# Altium PCB PCB.PcbDoc (part 7 of 11) (continued)
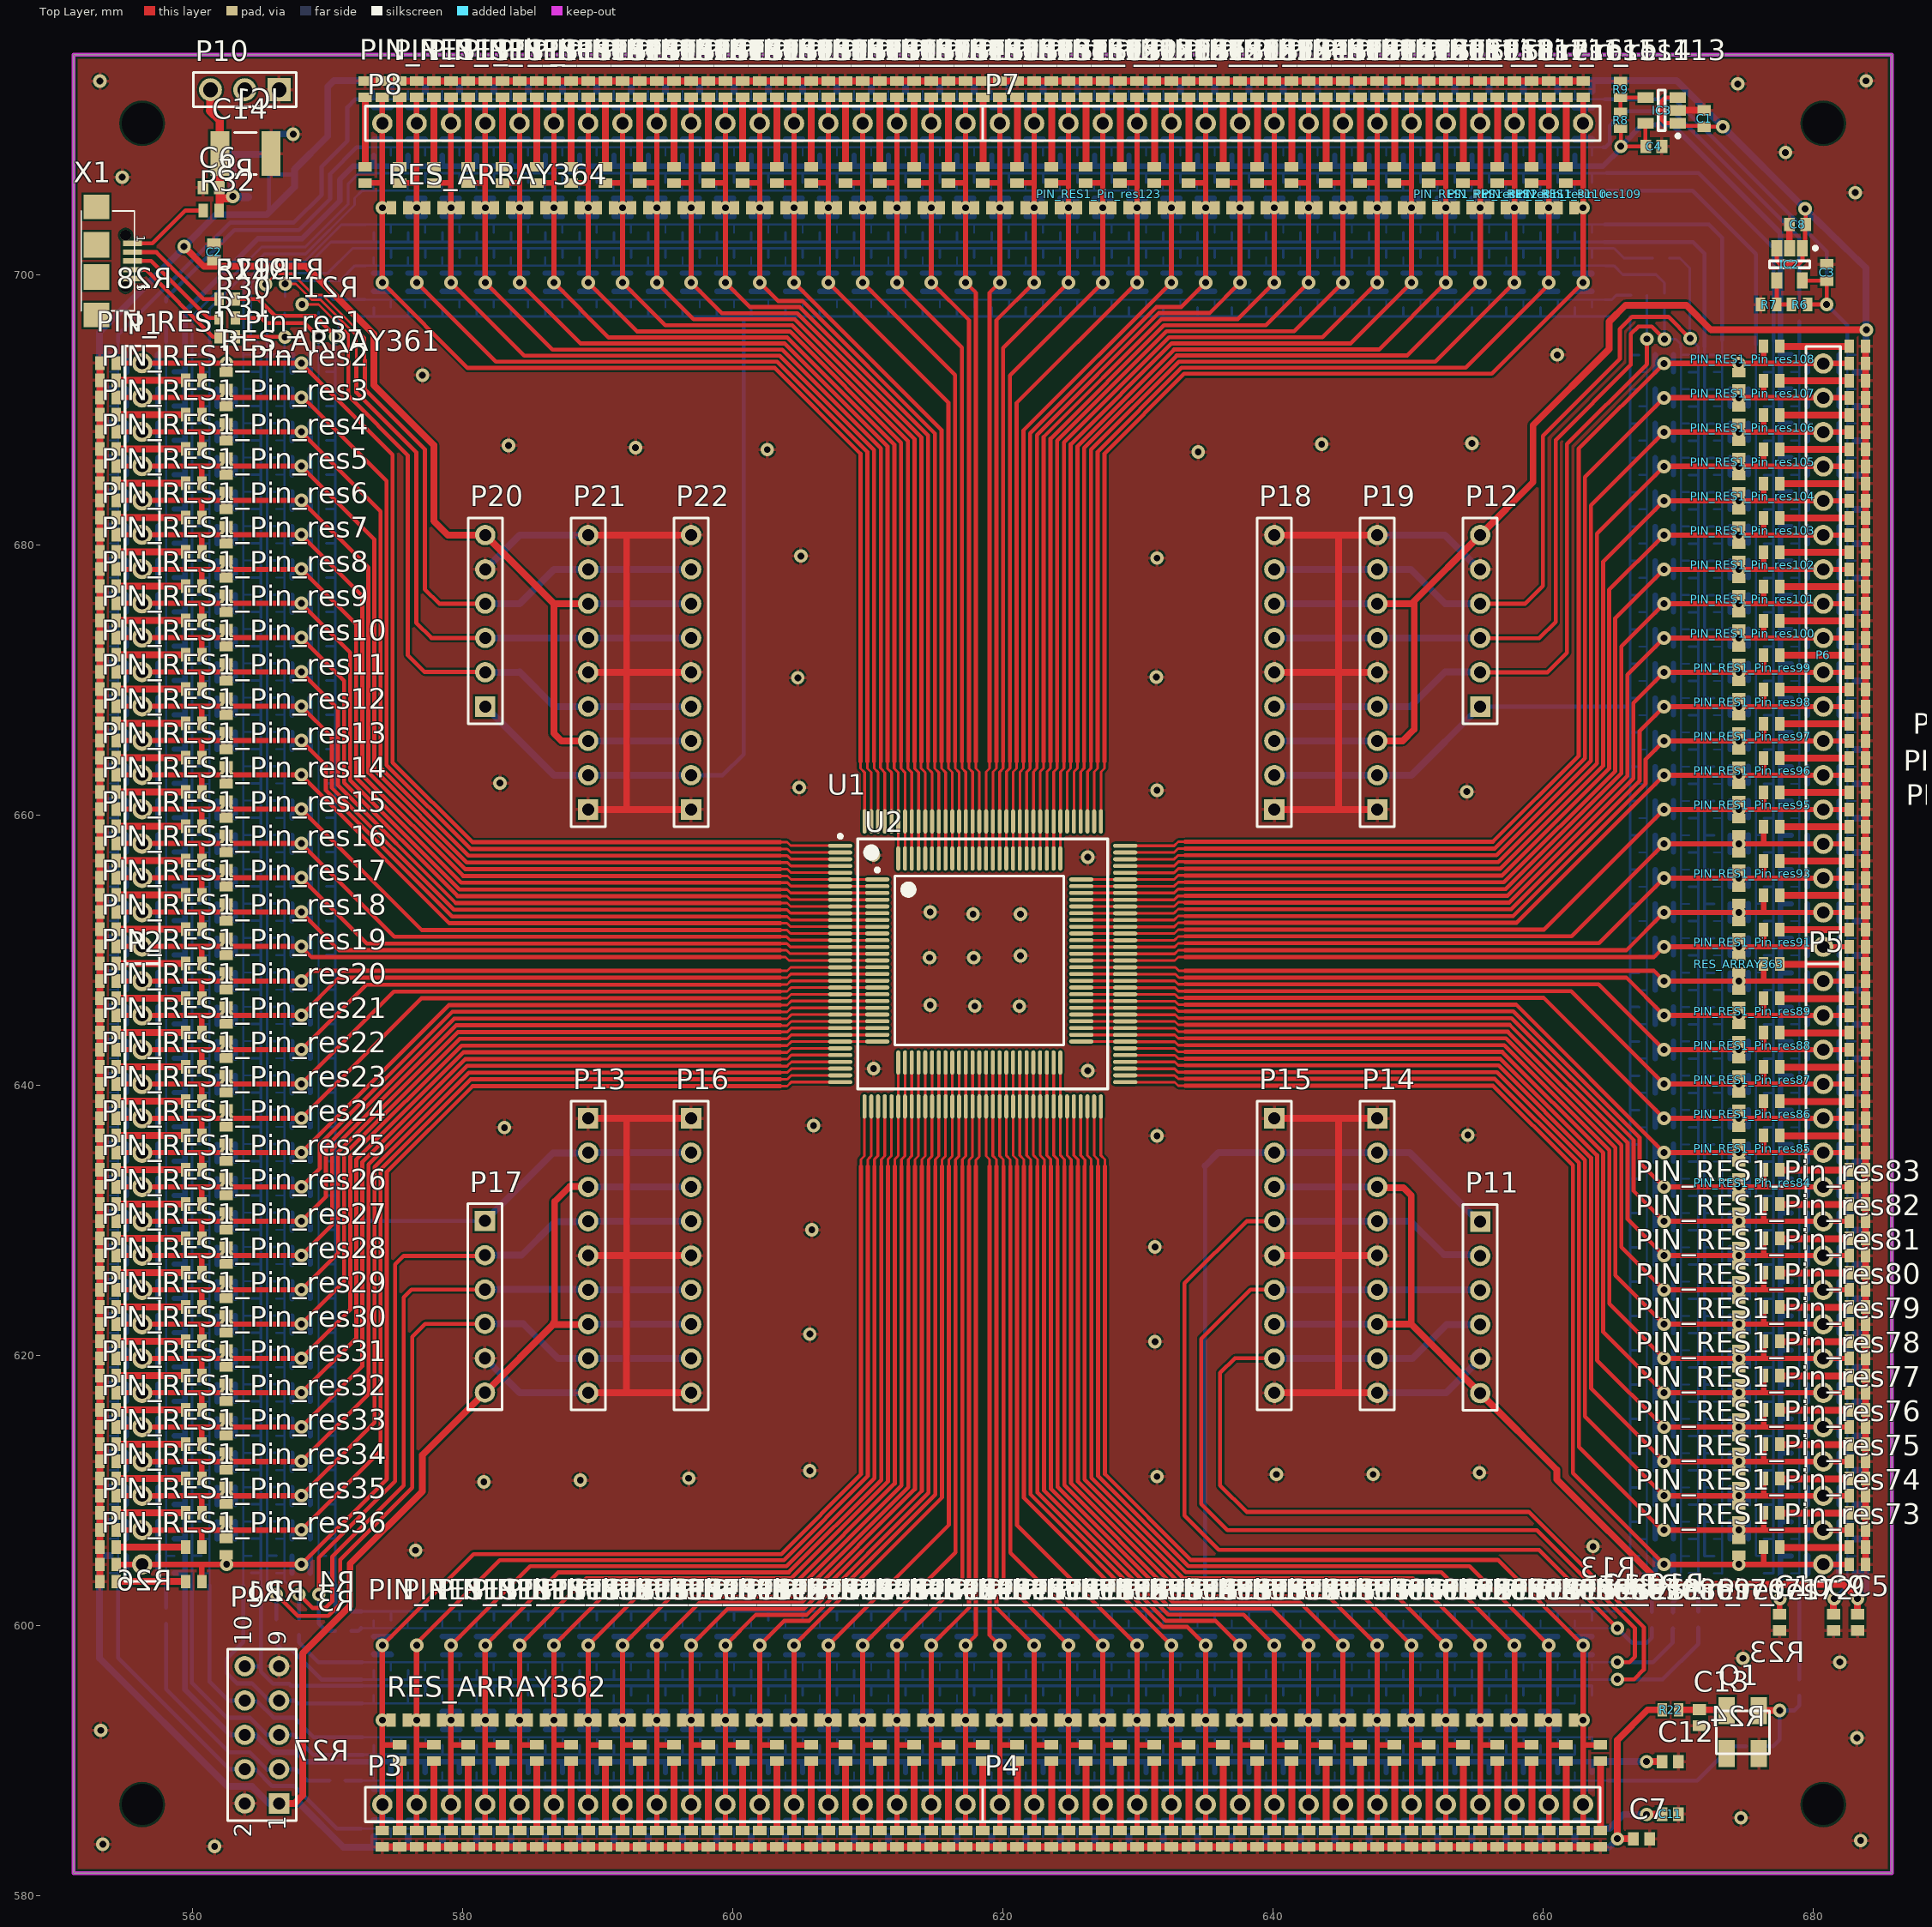
[diagram p0: Top Layer view]
## Nets (pads, with @x,y where several pads share a name; then routed paths per layer and width w, separated by ;. In a path a pad name is that pad's centre, name@x,y a point inside that pad or via, vN(x,y) a via of type N, cw(c..) or ccw(c..) an arc to the next point about the centre after c; other vN are vias at no path point) (continued)
P27: P2.9 PIN_RES1_Pin_res27.14 RES_ARRAY361.27 U1.27 U2.22 | length 80.8
  Top Layer w0.2: 603.504,644.398 604,644.398 604.322,644.72 U1.27@607.94,644.72 610.682,644.72 U2.22@610.686,644.724
  Top Layer w0.3: v1(568.046,627.38) 570.313,629.647 570.313,635.248 579.495,644.43 603.504,644.43
  Top Layer w0.4: PIN_RES1_Pin_res27.14@554.32,627.38 P2.9@556.26,627.38 560.705,627.38 ; PIN_RES1_Pin_res27.14@560.67,626.11 560.67,627.345 560.705,627.38 ; v1(568.046,627.38) v1(562.508,627.38) 562.483,627.38 560.705,627.38
  Bottom Layer w0.4: PIN_RES1_Pin_res27.14@555.082,626.745 555.082,627.38 ; PIN_RES1_Pin_res27.14@555.082,628.015 555.082,627.38 ; PIN_RES1_Pin_res27.14@557.438,626.745 557.438,627.38 ; PIN_RES1_Pin_res27.14@557.438,628.015 557.438,627.38 ; PIN_RES1_Pin_res27.14@561.813,626.72 561.813,627.38 ; PIN_RES1_Pin_res27.14@561.813,627.99 561.813,627.38 ; PIN_RES1_Pin_res27.14@563.153,626.745 563.153,627.38 ; PIN_RES1_Pin_res27.14@563.153,628.015 563.153,627.38 ; PIN_RES1_Pin_res27.14@567.35,626.72 567.35,627.38 ; PIN_RES1_Pin_res27.14@567.35,627.99 567.35,627.38 ; PIN_RES1_Pin_res27.14@568.69,626.745 568.69,627.38 ; PIN_RES1_Pin_res27.14@568.69,628.015 568.69,627.38 ; 555.082,627.38 P2.9@556.26,627.38 557.438,627.38 ; 561.813,627.38 v1(562.508,627.38) 563.153,627.38 ; 567.35,627.38 v1(568.046,627.38) 568.69,627.38
P28: P2.10 PIN_RES1_Pin_res28.14 RES_ARRAY361.28 U1.28 U2.23 | length 82.7
  Top Layer w0.2: 603.504,643.938 604.035,643.938 604.317,644.22 U1.28@607.94,644.22 610.682,644.22 U2.23@610.686,644.224
  Top Layer w0.3: v1(568.046,624.84) 570.763,627.557 570.763,635.062 579.623,643.922 603.504,643.922
  Top Layer w0.4: PIN_RES1_Pin_res28.14@554.32,624.84 P2.10@556.26,624.84 560.705,624.84 ; PIN_RES1_Pin_res28.14@560.67,623.57 560.67,624.805 560.705,624.84 ; v1(568.046,624.84) v1(562.508,624.84) 562.483,624.84 560.705,624.84
  Bottom Layer w0.4: PIN_RES1_Pin_res28.14@555.082,624.205 555.082,624.84 ; PIN_RES1_Pin_res28.14@555.082,625.475 555.082,624.84 ; PIN_RES1_Pin_res28.14@557.438,624.205 557.438,624.84 ; PIN_RES1_Pin_res28.14@557.438,625.475 557.438,624.84 ; PIN_RES1_Pin_res28.14@561.813,624.18 561.813,624.84 ; PIN_RES1_Pin_res28.14@561.813,625.45 561.813,624.84 ; PIN_RES1_Pin_res28.14@563.153,624.205 563.153,624.84 ; PIN_RES1_Pin_res28.14@563.153,625.475 563.153,624.84 ; PIN_RES1_Pin_res28.14@567.35,624.18 567.35,624.84 ; PIN_RES1_Pin_res28.14@567.35,625.45 567.35,624.84 ; PIN_RES1_Pin_res28.14@568.69,624.205 568.69,624.84 ; PIN_RES1_Pin_res28.14@568.69,625.475 568.69,624.84 ; 555.082,624.84 P2.10@556.26,624.84 557.438,624.84 ; 561.813,624.84 v1(562.508,624.84) 563.153,624.84 ; 567.35,624.84 v1(568.046,624.84) 568.69,624.84
P29: P2.11 PIN_RES1_Pin_res29.14 RES_ARRAY361.29 U1.29 U2.24 | length 84.7
  Top Layer w0.2: 603.504,643.43 604.022,643.43 604.312,643.72 U1.29@607.94,643.72 610.682,643.72 U2.24@610.686,643.724
  Top Layer w0.3: v1(568.046,622.3) 571.213,625.467 571.213,634.875 579.768,643.43 603.504,643.43
  Top Layer w0.4: PIN_RES1_Pin_res29.14@554.32,622.3 P2.11@556.26,622.3 560.705,622.3 ; PIN_RES1_Pin_res29.14@560.67,621.03 560.67,622.265 560.705,622.3 ; v1(568.046,622.3) v1(562.508,622.3) 562.483,622.3 560.705,622.3
  Bottom Layer w0.4: PIN_RES1_Pin_res29.14@555.082,621.665 555.082,622.3 ; PIN_RES1_Pin_res29.14@555.082,622.935 555.082,622.3 ; PIN_RES1_Pin_res29.14@557.438,621.665 557.438,622.3 ; PIN_RES1_Pin_res29.14@557.438,622.935 557.438,622.3 ; PIN_RES1_Pin_res29.14@561.813,621.64 561.813,622.3 ; PIN_RES1_Pin_res29.14@561.813,622.91 561.813,622.3 ; PIN_RES1_Pin_res29.14@563.153,621.665 563.153,622.3 ; PIN_RES1_Pin_res29.14@563.153,622.935 563.153,622.3 ; PIN_RES1_Pin_res29.14@567.35,621.64 567.35,622.3 ; PIN_RES1_Pin_res29.14@567.35,622.91 567.35,622.3 ; PIN_RES1_Pin_res29.14@568.69,621.665 568.69,622.3 ; PIN_RES1_Pin_res29.14@568.69,622.935 568.69,622.3 ; 555.082,622.3 P2.11@556.26,622.3 557.438,622.3 ; 561.813,622.3 v1(562.508,622.3) 563.153,622.3 ; 567.35,622.3 v1(568.046,622.3) 568.69,622.3
P30: P2.12 PIN_RES1_Pin_res30.14 RES_ARRAY361.30 U1.30 U2.25 | length 86.7
  Top Layer w0.2: 603.504,642.922 604.012,642.922 604.31,643.22 U1.30@607.94,643.22 610.682,643.22 U2.25@610.686,643.224
  Top Layer w0.3: v1(568.046,619.76) 571.663,623.377 571.663,634.689 579.896,642.922 603.504,642.922
  Top Layer w0.4: PIN_RES1_Pin_res30.14@554.32,619.76 P2.12@556.26,619.76 560.705,619.76 ; PIN_RES1_Pin_res30.14@560.67,618.49 560.67,619.725 560.705,619.76 ; v1(568.046,619.76) v1(562.508,619.76) 562.483,619.76 560.705,619.76
  Bottom Layer w0.4: PIN_RES1_Pin_res30.14@555.082,619.125 555.082,619.76 ; PIN_RES1_Pin_res30.14@555.082,620.395 555.082,619.76 ; PIN_RES1_Pin_res30.14@557.438,619.125 557.438,619.76 ; PIN_RES1_Pin_res30.14@557.438,620.395 557.438,619.76 ; PIN_RES1_Pin_res30.14@561.813,619.1 561.813,619.76 ; PIN_RES1_Pin_res30.14@561.813,620.37 561.813,619.76 ; PIN_RES1_Pin_res30.14@563.153,619.125 563.153,619.76 ; PIN_RES1_Pin_res30.14@563.153,620.395 563.153,619.76 ; PIN_RES1_Pin_res30.14@567.35,619.1 567.35,619.76 ; PIN_RES1_Pin_res30.14@567.35,620.37 567.35,619.76 ; PIN_RES1_Pin_res30.14@568.69,619.125 568.69,619.76 ; PIN_RES1_Pin_res30.14@568.69,620.395 568.69,619.76 ; 555.082,619.76 P2.12@556.26,619.76 557.438,619.76 ; 561.813,619.76 v1(562.508,619.76) 563.153,619.76 ; 567.35,619.76 v1(568.046,619.76) 568.69,619.76
P31: P2.13 PIN_RES1_Pin_res31.14 RES_ARRAY361.31 U1.31 | length 85.9
  Top Layer w0.2: 603.504,642.414 604.012,642.414 604.318,642.72 U1.31@607.94,642.72
  Top Layer w0.3: v1(568.046,617.22) 572.113,621.287 572.113,634.502 580.041,642.43 603.504,642.43
  Top Layer w0.4: PIN_RES1_Pin_res31.14@554.32,617.22 P2.13@556.26,617.22 560.705,617.22 ; PIN_RES1_Pin_res31.14@560.67,615.95 560.67,617.185 560.705,617.22 ; v1(568.046,617.22) v1(562.508,617.22) 562.483,617.22 560.705,617.22
  Bottom Layer w0.4: PIN_RES1_Pin_res31.14@555.082,616.585 555.082,617.22 ; PIN_RES1_Pin_res31.14@555.082,617.855 555.082,617.22 ; PIN_RES1_Pin_res31.14@557.438,616.585 557.438,617.22 ; PIN_RES1_Pin_res31.14@557.438,617.855 557.438,617.22 ; PIN_RES1_Pin_res31.14@561.813,616.56 561.813,617.22 ; PIN_RES1_Pin_res31.14@561.813,617.83 561.813,617.22 ; PIN_RES1_Pin_res31.14@563.153,616.585 563.153,617.22 ; PIN_RES1_Pin_res31.14@563.153,617.855 563.153,617.22 ; PIN_RES1_Pin_res31.14@567.35,616.56 567.35,617.22 ; PIN_RES1_Pin_res31.14@567.35,617.83 567.35,617.22 ; PIN_RES1_Pin_res31.14@568.69,616.585 568.69,617.22 ; PIN_RES1_Pin_res31.14@568.69,617.855 568.69,617.22 ; 555.082,617.22 P2.13@556.26,617.22 557.438,617.22 ; 561.813,617.22 v1(562.508,617.22) 563.153,617.22 ; 567.35,617.22 v1(568.046,617.22) 568.69,617.22
P32: P2.14 PIN_RES1_Pin_res32.14 RES_ARRAY361.32 U1.32 | length 87.8
  Top Layer w0.2: 603.504,641.906 603.518,641.92 604.026,641.92 604.326,642.22 U1.32@607.94,642.22
  Top Layer w0.3: v1(568.046,614.68) 572.563,619.197 572.563,634.316 580.169,641.922 603.504,641.922
  Top Layer w0.4: PIN_RES1_Pin_res32.14@554.32,614.68 P2.14@556.26,614.68 560.705,614.68 ; PIN_RES1_Pin_res32.14@560.67,613.41 560.67,614.645 560.705,614.68 ; v1(568.046,614.68) v1(562.508,614.68) 562.483,614.68 560.705,614.68
  Bottom Layer w0.4: PIN_RES1_Pin_res32.14@555.082,614.045 555.082,614.68 ; PIN_RES1_Pin_res32.14@555.082,615.315 555.082,614.68 ; PIN_RES1_Pin_res32.14@557.438,614.045 557.438,614.68 ; PIN_RES1_Pin_res32.14@557.438,615.315 557.438,614.68 ; PIN_RES1_Pin_res32.14@561.813,614.02 561.813,614.68 ; PIN_RES1_Pin_res32.14@561.813,615.29 561.813,614.68 ; PIN_RES1_Pin_res32.14@563.153,614.045 563.153,614.68 ; PIN_RES1_Pin_res32.14@563.153,615.315 563.153,614.68 ; PIN_RES1_Pin_res32.14@567.35,614.02 567.35,614.68 ; PIN_RES1_Pin_res32.14@567.35,615.29 567.35,614.68 ; PIN_RES1_Pin_res32.14@568.69,614.045 568.69,614.68 ; PIN_RES1_Pin_res32.14@568.69,615.315 568.69,614.68 ; 555.082,614.68 P2.14@556.26,614.68 557.438,614.68 ; 561.813,614.68 v1(562.508,614.68) 563.153,614.68 ; 567.35,614.68 v1(568.046,614.68) 568.69,614.68
P33: P2.15 PIN_RES1_Pin_res33.14 RES_ARRAY361.33 U1.33 | length 89.8
  Top Layer w0.2: 603.504,641.398 603.997,641.398 604.169,641.57 604.184,641.57 604.334,641.72 U1.33@607.94,641.72
  Top Layer w0.3: v1(568.046,612.14) 573.013,617.107 573.013,634.13 580.313,641.43 603.504,641.43
  Top Layer w0.4: PIN_RES1_Pin_res33.14@554.32,612.14 P2.15@556.26,612.14 560.705,612.14 ; PIN_RES1_Pin_res33.14@560.67,610.87 560.67,612.105 560.705,612.14 ; v1(568.046,612.14) v1(562.508,612.14) 562.483,612.14 560.705,612.14
  Bottom Layer w0.4: PIN_RES1_Pin_res33.14@555.082,611.505 555.082,612.14 ; PIN_RES1_Pin_res33.14@555.082,612.775 555.082,612.14 ; PIN_RES1_Pin_res33.14@557.438,611.505 557.438,612.14 ; PIN_RES1_Pin_res33.14@557.438,612.775 557.438,612.14 ; PIN_RES1_Pin_res33.14@561.813,611.48 561.813,612.14 ; PIN_RES1_Pin_res33.14@561.813,612.75 561.813,612.14 ; PIN_RES1_Pin_res33.14@563.153,611.505 563.153,612.14 ; PIN_RES1_Pin_res33.14@563.153,612.775 563.153,612.14 ; PIN_RES1_Pin_res33.14@567.35,611.48 567.35,612.14 ; PIN_RES1_Pin_res33.14@567.35,612.75 567.35,612.14 ; PIN_RES1_Pin_res33.14@568.69,611.505 568.69,612.14 ; PIN_RES1_Pin_res33.14@568.69,612.775 568.69,612.14 ; 555.082,612.14 P2.15@556.26,612.14 557.438,612.14 ; 561.813,612.14 v1(562.508,612.14) 563.153,612.14 ; 567.35,612.14 v1(568.046,612.14) 568.69,612.14
P34: P2.16 PIN_RES1_Pin_res34.14 RES_ARRAY361.34 U1.34 | length 91.7
  Top Layer w0.2: 603.504,640.938 604.032,640.938 604.314,641.22 U1.34@607.94,641.22
  Top Layer w0.3: v1(568.046,609.6) 573.463,615.017 573.463,633.943 580.442,640.922 603.504,640.922
  Top Layer w0.4: PIN_RES1_Pin_res34.14@554.32,609.6 P2.16@556.26,609.6 560.705,609.6 ; PIN_RES1_Pin_res34.14@560.67,608.33 560.67,609.565 560.705,609.6 ; v1(568.046,609.6) v1(562.508,609.6) 562.483,609.6 560.705,609.6
  Bottom Layer w0.4: PIN_RES1_Pin_res34.14@555.082,608.965 555.082,609.6 ; PIN_RES1_Pin_res34.14@555.082,610.235 555.082,609.6 ; PIN_RES1_Pin_res34.14@557.438,608.965 557.438,609.6 ; PIN_RES1_Pin_res34.14@557.438,610.235 557.438,609.6 ; PIN_RES1_Pin_res34.14@561.813,608.94 561.813,609.6 ; PIN_RES1_Pin_res34.14@561.813,610.21 561.813,609.6 ; PIN_RES1_Pin_res34.14@563.153,608.965 563.153,609.6 ; PIN_RES1_Pin_res34.14@563.153,610.235 563.153,609.6 ; PIN_RES1_Pin_res34.14@567.35,608.94 567.35,609.6 ; PIN_RES1_Pin_res34.14@567.35,610.21 567.35,609.6 ; PIN_RES1_Pin_res34.14@568.69,608.965 568.69,609.6 ; PIN_RES1_Pin_res34.14@568.69,610.235 568.69,609.6 ; 555.082,609.6 P2.16@556.26,609.6 557.438,609.6 ; 561.813,609.6 v1(562.508,609.6) 563.153,609.6 ; 567.35,609.6 v1(568.046,609.6) 568.69,609.6
P35: P2.17 PIN_RES1_Pin_res35.14 RES_ARRAY361.35 U1.35 | length 93.9
  Top Layer w0.2: 603.504,640.43 604.019,640.43 604.309,640.72 U1.35@607.94,640.72
  Top Layer w0.3: v1(568.046,607.06) 573.913,612.927 573.913,633.757 580.586,640.43 601.904,640.43 ; 601.726,640.43 601.904,640.43 ; 603.504,640.43 601.904,640.43
  Top Layer w0.4: PIN_RES1_Pin_res35.14@554.32,607.06 P2.17@556.26,607.06 560.705,607.06 ; PIN_RES1_Pin_res35.14@560.67,605.79 560.67,607.025 560.705,607.06 ; v1(568.046,607.06) v1(562.508,607.06) 562.483,607.06 560.705,607.06
  Bottom Layer w0.4: PIN_RES1_Pin_res35.14@555.082,606.425 555.082,607.06 ; PIN_RES1_Pin_res35.14@555.082,607.695 555.082,607.06 ; PIN_RES1_Pin_res35.14@557.438,606.425 557.438,607.06 ; PIN_RES1_Pin_res35.14@557.438,607.695 557.438,607.06 ; PIN_RES1_Pin_res35.14@561.813,606.4 561.813,607.06 ; PIN_RES1_Pin_res35.14@561.813,607.67 561.813,607.06 ; PIN_RES1_Pin_res35.14@563.153,606.425 563.153,607.06 ; PIN_RES1_Pin_res35.14@563.153,607.695 563.153,607.06 ; PIN_RES1_Pin_res35.14@567.35,606.4 567.35,607.06 ; PIN_RES1_Pin_res35.14@567.35,607.67 567.35,607.06 ; PIN_RES1_Pin_res35.14@568.69,606.425 568.69,607.06 ; PIN_RES1_Pin_res35.14@568.69,607.695 568.69,607.06 ; 555.082,607.06 P2.17@556.26,607.06 557.438,607.06 ; 561.813,607.06 v1(562.508,607.06) 563.153,607.06 ; 567.35,607.06 v1(568.046,607.06) 568.69,607.06
P36: P2.18 PIN_RES1_Pin_res36.14 RES_ARRAY361.36 U1.36 | length 92.5
  Top Layer w0.2: 603.504,639.922 604.012,639.922 604.31,640.22 U1.36@607.94,640.22
  Top Layer w0.3: v1(568.046,604.52) 574.37,610.845 574.37,633.578 580.715,639.922 603.504,639.922
  Top Layer w0.4: PIN_RES1_Pin_res36.14@554.32,604.52 P2.18@556.26,604.52 560.705,604.52 ; PIN_RES1_Pin_res36.14@560.67,603.25 560.67,604.485 560.705,604.52 ; RES_ARRAY361.36@562.483,605.225 562.508,605.2 v1(562.508,604.52) ; v1(568.046,604.52) v1(562.508,604.52) ; 560.705,604.52 v1(562.508,604.52)
  Bottom Layer w0.4: PIN_RES1_Pin_res36.14@555.082,603.885 555.082,604.52 ; PIN_RES1_Pin_res36.14@555.082,605.155 555.082,604.52 ; PIN_RES1_Pin_res36.14@557.438,603.885 557.438,604.52 ; PIN_RES1_Pin_res36.14@557.438,605.155 557.438,604.52 ; PIN_RES1_Pin_res36.14@567.35,603.86 567.35,604.52 ; PIN_RES1_Pin_res36.14@567.35,605.13 567.35,604.52 ; PIN_RES1_Pin_res36.14@568.69,603.885 568.69,604.52 ; PIN_RES1_Pin_res36.14@568.69,605.155 568.69,604.52 ; 555.082,604.52 P2.18@556.26,604.52 557.438,604.52 ; 567.35,604.52 v1(568.046,604.52) 568.69,604.52
P37: P3.1 PIN_RES1_Pin_res37.14 RES_ARRAY362.1 U1.37 | length 93.7
  Top Layer w0.2: 609.473,633.984 609.474,633.985 609.474,634.492 609.728,634.746 609.728,638.408 U1.37@609.74,638.42
  Top Layer w0.3: v1(574.04,598.526) 580.796,605.282 603.58,605.282 609.474,611.176 609.474,633.983 609.473,633.984
  Top Layer w0.4: PIN_RES1_Pin_res37.14@574.04,584.8 P3.1@574.04,586.74 574.04,591.185 ; v1(574.04,598.526) v1(574.04,592.988) ; RES_ARRAY362.1@574.675,592.988 v1(574.04,592.988) ; PIN_RES1_Pin_res37.14@575.31,591.15 574.075,591.15 574.04,591.185 ; 574.04,591.185 v1(574.04,592.988)
  Bottom Layer w0.4: PIN_RES1_Pin_res37.14@573.405,597.881 574.04,597.881 ; PIN_RES1_Pin_res37.14@573.405,599.17 574.04,599.17 ; PIN_RES1_Pin_res37.14@573.43,597.83 574.04,597.83 ; PIN_RES1_Pin_res37.14@574.675,597.881 574.04,597.881 ; PIN_RES1_Pin_res37.14@574.675,599.17 574.04,599.17 ; PIN_RES1_Pin_res37.14@574.7,597.83 574.04,597.83 ; 574.04,597.83 574.04,597.881 ; 574.04,597.881 v1(574.04,598.526) 574.04,599.17
  Bottom Layer w0.5: PIN_RES1_Pin_res37.14@573.405,585.562 PIN_RES1_Pin_res37.14@574.675,585.562 ; PIN_RES1_Pin_res37.14@573.405,587.918 PIN_RES1_Pin_res37.14@574.675,587.918 ; 574.04,585.597 P3.1@574.04,586.74 574.04,587.883
P38: P3.2 PIN_RES1_Pin_res38.14 RES_ARRAY362.2 U1.38 | length 86
  Top Layer w0.2: 609.982,633.984 609.982,634.492 610.124,634.634 610.124,634.647 610.24,634.763 U1.38@610.24,638.42
  Top Layer w0.3: v1(576.58,598.526) 576.58,598.676 582.736,604.832 603.767,604.832 609.982,611.047 609.982,633.984
  Top Layer w0.4: PIN_RES1_Pin_res38.14@576.58,584.8 P3.2@576.58,586.74 v1(576.58,592.988) v1(576.58,598.526) ; 576.615,591.15 PIN_RES1_Pin_res38.14@577.85,591.15
  Bottom Layer w0.4: PIN_RES1_Pin_res38.14@575.945,585.562 576.58,585.562 ; PIN_RES1_Pin_res38.14@575.945,587.918 576.58,587.918 ; PIN_RES1_Pin_res38.14@577.215,585.562 576.58,585.562 ; PIN_RES1_Pin_res38.14@577.215,587.918 576.58,587.918 ; 576.58,585.562 P3.2@576.58,586.74 576.58,587.918
P39: P3.3 PIN_RES1_Pin_res39.14 RES_ARRAY362.3 U1.39 | length 91.8
  Top Layer w0.2: 610.474,633.984 610.474,634.502 610.728,634.756 610.728,638.408 U1.39@610.74,638.42
  Top Layer w0.3: v1(579.12,598.526) 584.976,604.382 603.953,604.382 610.474,610.903 610.474,633.984
  Top Layer w0.4: PIN_RES1_Pin_res39.14@579.12,584.8 P3.3@579.12,586.74 579.12,591.185 ; v1(579.12,598.526) v1(579.12,592.988) 579.12,591.185 ; PIN_RES1_Pin_res39.14@580.39,591.15 579.155,591.15 579.12,591.185
  Bottom Layer w0.4: PIN_RES1_Pin_res39.14@578.485,585.562 579.12,585.562 ; PIN_RES1_Pin_res39.14@578.485,587.918 579.12,587.918 ; PIN_RES1_Pin_res39.14@578.485,593.633 579.12,593.633 ; PIN_RES1_Pin_res39.14@578.485,599.17 579.12,599.17 ; PIN_RES1_Pin_res39.14@578.51,592.293 579.12,592.293 ; PIN_RES1_Pin_res39.14@578.51,597.83 579.12,597.83 ; PIN_RES1_Pin_res39.14@579.755,585.562 579.12,585.562 ; PIN_RES1_Pin_res39.14@579.755,587.918 579.12,587.918 ; PIN_RES1_Pin_res39.14@579.755,593.633 579.12,593.633 ; PIN_RES1_Pin_res39.14@579.755,599.17 579.12,599.17 ; PIN_RES1_Pin_res39.14@579.78,592.293 579.12,592.293 ; PIN_RES1_Pin_res39.14@579.78,597.83 579.12,597.83 ; 579.12,585.562 P3.3@579.12,586.74 579.12,587.918 ; 579.12,592.293 v1(579.12,592.988) 579.12,593.633 ; 579.12,597.83 v1(579.12,598.526) 579.12,599.17
P40: P3.4 PIN_RES1_Pin_res40.14 RES_ARRAY362.4 U1.40 | length 89.8
  Top Layer w0.2: 610.982,633.984 610.982,634.492 611.124,634.634 611.124,634.657 611.24,634.773 U1.40@611.24,638.42
  Top Layer w0.3: v1(581.66,598.526) 587.066,603.932 604.139,603.932 610.982,610.775 610.982,633.984
  Top Layer w0.4: PIN_RES1_Pin_res40.14@581.66,584.8 P3.4@581.66,586.74 581.66,591.185 ; v1(581.66,598.526) v1(581.66,592.988) 581.66,591.185 ; PIN_RES1_Pin_res40.14@582.93,591.15 581.695,591.15 581.66,591.185
  Bottom Layer w0.4: PIN_RES1_Pin_res40.14@581.025,585.562 581.66,585.562 ; PIN_RES1_Pin_res40.14@581.025,587.918 581.66,587.918 ; PIN_RES1_Pin_res40.14@581.025,593.633 581.66,593.633 ; PIN_RES1_Pin_res40.14@581.025,599.17 581.66,599.17 ; PIN_RES1_Pin_res40.14@581.05,592.293 581.66,592.293 ; PIN_RES1_Pin_res40.14@581.05,597.83 581.66,597.83 ; PIN_RES1_Pin_res40.14@582.295,585.562 581.66,585.562 ; PIN_RES1_Pin_res40.14@582.295,587.918 581.66,587.918 ; PIN_RES1_Pin_res40.14@582.295,593.633 581.66,593.633 ; PIN_RES1_Pin_res40.14@582.295,599.17 581.66,599.17 ; PIN_RES1_Pin_res40.14@582.32,592.293 581.66,592.293 ; PIN_RES1_Pin_res40.14@582.32,597.83 581.66,597.83 ; 581.66,585.562 P3.4@581.66,586.74 581.66,587.918 ; 581.66,592.293 v1(581.66,592.988) 581.66,593.633 ; 581.66,597.83 v1(581.66,598.526) 581.66,599.17
P41: P3.5 PIN_RES1_Pin_res41.14 RES_ARRAY362.5 U1.41 | length 87.9
  Top Layer w0.2: 611.474,633.984 611.474,634.512 611.728,634.766 611.728,638.408 U1.41@611.74,638.42
  Top Layer w0.3: v1(584.2,598.526) 589.156,603.482 604.326,603.482 611.474,610.63 611.474,633.984
  Top Layer w0.4: PIN_RES1_Pin_res41.14@584.2,584.8 P3.5@584.2,586.74 584.2,591.185 ; v1(584.2,598.526) v1(584.2,592.988) 584.2,591.185 ; PIN_RES1_Pin_res41.14@585.47,591.15 584.235,591.15 584.2,591.185
  Bottom Layer w0.4: PIN_RES1_Pin_res41.14@583.565,585.562 584.2,585.562 ; PIN_RES1_Pin_res41.14@583.565,587.918 584.2,587.918 ; PIN_RES1_Pin_res41.14@583.565,593.633 584.2,593.633 ; PIN_RES1_Pin_res41.14@583.565,599.17 584.2,599.17 ; PIN_RES1_Pin_res41.14@583.59,592.293 584.2,592.293 ; PIN_RES1_Pin_res41.14@583.59,597.83 584.2,597.83 ; PIN_RES1_Pin_res41.14@584.835,585.562 584.2,585.562 ; PIN_RES1_Pin_res41.14@584.835,587.918 584.2,587.918 ; PIN_RES1_Pin_res41.14@584.835,593.633 584.2,593.633 ; PIN_RES1_Pin_res41.14@584.835,599.17 584.2,599.17 ; PIN_RES1_Pin_res41.14@584.86,592.293 584.2,592.293 ; PIN_RES1_Pin_res41.14@584.86,597.83 584.2,597.83 ; 584.2,585.562 P3.5@584.2,586.74 584.2,587.918 ; 584.2,592.293 v1(584.2,592.988) 584.2,593.633 ; 584.2,597.83 v1(584.2,598.526) 584.2,599.17
P42: P3.6 PIN_RES1_Pin_res42.14 RES_ARRAY362.6 U1.42 U2.26 | length 89.1
  Top Layer w0.2: 611.982,633.984 611.982,634.512 612.24,634.77 U1.42@612.24,638.42 612.24,641.67 U2.26@612.236,641.674
  Top Layer w0.3: v1(586.74,598.526) 591.246,603.032 604.512,603.032 611.982,610.502 611.982,633.984
  Top Layer w0.4: PIN_RES1_Pin_res42.14@586.74,584.8 P3.6@586.74,586.74 586.74,591.185 ; v1(586.74,598.526) v1(586.74,592.988) 586.74,591.185 ; PIN_RES1_Pin_res42.14@588.01,591.15 586.775,591.15 586.74,591.185
  Bottom Layer w0.4: PIN_RES1_Pin_res42.14@586.105,585.562 586.74,585.562 ; PIN_RES1_Pin_res42.14@586.105,587.918 586.74,587.918 ; PIN_RES1_Pin_res42.14@586.105,593.633 586.74,593.633 ; PIN_RES1_Pin_res42.14@586.105,599.17 586.74,599.17 ; PIN_RES1_Pin_res42.14@586.13,592.293 586.74,592.293 ; PIN_RES1_Pin_res42.14@586.13,597.83 586.74,597.83 ; PIN_RES1_Pin_res42.14@587.375,585.562 586.74,585.562 ; PIN_RES1_Pin_res42.14@587.375,587.918 586.74,587.918 ; PIN_RES1_Pin_res42.14@587.375,593.633 586.74,593.633 ; PIN_RES1_Pin_res42.14@587.375,599.17 586.74,599.17 ; PIN_RES1_Pin_res42.14@587.4,592.293 586.74,592.293 ; PIN_RES1_Pin_res42.14@587.4,597.83 586.74,597.83 ; 586.74,585.562 P3.6@586.74,586.74 586.74,587.918 ; 586.74,592.293 v1(586.74,592.988) 586.74,593.633 ; 586.74,597.83 v1(586.74,598.526) 586.74,599.17
P43: P3.7 PIN_RES1_Pin_res43.14 RES_ARRAY362.7 U1.43 U2.27 | length 87.2
  Top Layer w0.2: 612.474,633.984 612.474,634.492 612.728,634.746 612.728,638.408 U1.43@612.736,638.416 ; U2.27@612.736,641.674 U1.43@612.736,638.416 ; U1.43@612.74,638.42 U1.43@612.736,638.416
  Top Layer w0.3: v1(589.28,598.526) 593.336,602.582 604.699,602.582 612.474,610.357 612.474,633.984
  Top Layer w0.4: PIN_RES1_Pin_res43.14@589.28,584.8 P3.7@589.28,586.74 589.28,591.185 ; v1(589.28,598.526) v1(589.28,592.988) 589.28,591.185 ; PIN_RES1_Pin_res43.14@590.55,591.15 589.315,591.15 589.28,591.185
  Bottom Layer w0.4: PIN_RES1_Pin_res43.14@588.645,585.562 589.28,585.562 ; PIN_RES1_Pin_res43.14@588.645,587.918 589.28,587.918 ; PIN_RES1_Pin_res43.14@588.645,593.633 589.28,593.633 ; PIN_RES1_Pin_res43.14@588.645,599.17 589.28,599.17 ; PIN_RES1_Pin_res43.14@588.67,592.293 589.28,592.293 ; PIN_RES1_Pin_res43.14@588.67,597.83 589.28,597.83 ; PIN_RES1_Pin_res43.14@589.915,585.562 589.28,585.562 ; PIN_RES1_Pin_res43.14@589.915,587.918 589.28,587.918 ; PIN_RES1_Pin_res43.14@589.915,593.633 589.28,593.633 ; PIN_RES1_Pin_res43.14@589.915,599.17 589.28,599.17 ; PIN_RES1_Pin_res43.14@589.94,592.293 589.28,592.293 ; PIN_RES1_Pin_res43.14@589.94,597.83 589.28,597.83 ; 589.28,585.562 P3.7@589.28,586.74 589.28,587.918 ; 589.28,592.293 v1(589.28,592.988) 589.28,593.633 ; 589.28,597.83 v1(589.28,598.526) 589.28,599.17
P44: P3.8 PIN_RES1_Pin_res44.14 RES_ARRAY362.8 U1.44 U2.28 | length 85.2
  Top Layer w0.2: 612.982,633.984 612.982,634.495 613.24,634.753 U1.44@613.24,638.42 613.24,641.67 U2.28@613.236,641.674
  Top Layer w0.3: v1(591.82,598.526) 595.426,602.132 604.885,602.132 612.982,610.229 612.982,633.984
  Top Layer w0.4: PIN_RES1_Pin_res44.14@591.82,584.8 P3.8@591.82,586.74 591.82,591.185 ; v1(591.82,598.526) v1(591.82,592.988) 591.82,591.185 ; PIN_RES1_Pin_res44.14@593.09,591.15 591.855,591.15 591.82,591.185
  Bottom Layer w0.4: PIN_RES1_Pin_res44.14@591.185,585.562 591.82,585.562 ; PIN_RES1_Pin_res44.14@591.185,587.918 591.82,587.918 ; PIN_RES1_Pin_res44.14@591.185,593.633 591.82,593.633 ; PIN_RES1_Pin_res44.14@591.185,599.17 591.82,599.17 ; PIN_RES1_Pin_res44.14@591.21,592.293 591.82,592.293 ; PIN_RES1_Pin_res44.14@591.21,597.83 591.82,597.83 ; PIN_RES1_Pin_res44.14@592.455,585.562 591.82,585.562 ; PIN_RES1_Pin_res44.14@592.455,587.918 591.82,587.918 ; PIN_RES1_Pin_res44.14@592.455,593.633 591.82,593.633 ; PIN_RES1_Pin_res44.14@592.455,599.17 591.82,599.17 ; PIN_RES1_Pin_res44.14@592.48,592.293 591.82,592.293 ; PIN_RES1_Pin_res44.14@592.48,597.83 591.82,597.83 ; 591.82,585.562 P3.8@591.82,586.74 591.82,587.918 ; 591.82,592.293 v1(591.82,592.988) 591.82,593.633 ; 591.82,597.83 v1(591.82,598.526) 591.82,599.17
P45: P3.9 PIN_RES1_Pin_res45.14 RES_ARRAY362.9 U1.45 U2.29 | length 83.3
  Top Layer w0.2: 613.474,633.984 613.474,634.492 613.728,634.746 613.728,638.408 U1.45@613.74,638.42 613.736,638.424 U2.29@613.736,641.674
  Top Layer w0.3: v1(594.36,598.526) 597.516,601.682 605.071,601.682 613.474,610.085 613.474,633.984
  Top Layer w0.4: PIN_RES1_Pin_res45.14@594.36,584.8 P3.9@594.36,586.74 594.36,591.185 ; v1(594.36,598.526) v1(594.36,592.988) 594.36,591.185 ; PIN_RES1_Pin_res45.14@595.63,591.15 594.395,591.15 594.36,591.185
  Bottom Layer w0.4: PIN_RES1_Pin_res45.14@593.725,585.562 594.36,585.562 ; PIN_RES1_Pin_res45.14@593.725,587.918 594.36,587.918 ; PIN_RES1_Pin_res45.14@593.725,593.633 594.36,593.633 ; PIN_RES1_Pin_res45.14@593.725,599.17 594.36,599.17 ; PIN_RES1_Pin_res45.14@593.75,592.293 594.36,592.293 ; PIN_RES1_Pin_res45.14@593.75,597.83 594.36,597.83 ; PIN_RES1_Pin_res45.14@594.995,585.562 594.36,585.562 ; PIN_RES1_Pin_res45.14@594.995,587.918 594.36,587.918 ; PIN_RES1_Pin_res45.14@594.995,593.633 594.36,593.633 ; PIN_RES1_Pin_res45.14@594.995,599.17 594.36,599.17 ; PIN_RES1_Pin_res45.14@595.02,592.293 594.36,592.293 ; PIN_RES1_Pin_res45.14@595.02,597.83 594.36,597.83 ; 594.36,585.562 P3.9@594.36,586.74 594.36,587.918 ; 594.36,592.293 v1(594.36,592.988) 594.36,593.633 ; 594.36,597.83 v1(594.36,598.526) 594.36,599.17
P46: P3.10 PIN_RES1_Pin_res46.14 RES_ARRAY362.10 U1.46 U2.30 | length 81.3
  Top Layer w0.2: 613.982,633.984 613.982,634.492 614.24,634.75 U1.46@614.24,638.42 614.236,638.424 U2.30@614.236,641.674
  Top Layer w0.3: v1(596.9,598.526) 599.606,601.232 605.258,601.232 613.982,609.956 613.982,633.984
  Top Layer w0.4: PIN_RES1_Pin_res46.14@596.9,584.8 P3.10@596.9,586.74 596.9,591.185 ; v1(596.9,598.526) v1(596.9,592.988) 596.9,591.185 ; PIN_RES1_Pin_res46.14@598.17,591.15 596.935,591.15 596.9,591.185
  Bottom Layer w0.4: PIN_RES1_Pin_res46.14@596.265,585.562 596.9,585.562 ; PIN_RES1_Pin_res46.14@596.265,587.918 596.9,587.918 ; PIN_RES1_Pin_res46.14@596.265,593.633 596.9,593.633 ; PIN_RES1_Pin_res46.14@596.265,599.17 596.9,599.17 ; PIN_RES1_Pin_res46.14@596.29,592.293 596.9,592.293 ; PIN_RES1_Pin_res46.14@596.29,597.83 596.9,597.83 ; PIN_RES1_Pin_res46.14@597.535,585.562 596.9,585.562 ; PIN_RES1_Pin_res46.14@597.535,587.918 596.9,587.918 ; PIN_RES1_Pin_res46.14@597.535,593.633 596.9,593.633 ; PIN_RES1_Pin_res46.14@597.535,599.17 596.9,599.17 ; PIN_RES1_Pin_res46.14@597.56,592.293 596.9,592.293 ; PIN_RES1_Pin_res46.14@597.56,597.83 596.9,597.83 ; 596.9,585.562 P3.10@596.9,586.74 596.9,587.918 ; 596.9,592.293 v1(596.9,592.988) 596.9,593.633 ; 596.9,597.83 v1(596.9,598.526) 596.9,599.17
P47: P3.11 PIN_RES1_Pin_res47.14 RES_ARRAY362.11 U1.47 U2.31 | length 79.3
  Top Layer w0.2: 614.474,633.984 614.474,634.489 614.728,634.743 614.728,638.408 U1.47@614.74,638.42 614.74,641.67 U2.31@614.736,641.674
  Top Layer w0.3: v1(599.44,598.526) 601.696,600.782 605.444,600.782 614.474,609.812 614.474,633.984
  Top Layer w0.4: PIN_RES1_Pin_res47.14@599.44,584.8 P3.11@599.44,586.74 599.44,591.185 ; v1(599.44,598.526) v1(599.44,592.988) 599.44,591.185 ; PIN_RES1_Pin_res47.14@600.71,591.15 599.475,591.15 599.44,591.185
  Bottom Layer w0.4: PIN_RES1_Pin_res47.14@598.805,585.562 599.44,585.562 ; PIN_RES1_Pin_res47.14@598.805,587.918 599.44,587.918 ; PIN_RES1_Pin_res47.14@598.805,593.633 599.44,593.633 ; PIN_RES1_Pin_res47.14@598.805,599.17 599.44,599.17 ; PIN_RES1_Pin_res47.14@598.83,592.293 599.44,592.293 ; PIN_RES1_Pin_res47.14@598.83,597.83 599.44,597.83 ; PIN_RES1_Pin_res47.14@600.075,585.562 599.44,585.562 ; PIN_RES1_Pin_res47.14@600.075,587.918 599.44,587.918 ; PIN_RES1_Pin_res47.14@600.075,593.633 599.44,593.633 ; PIN_RES1_Pin_res47.14@600.075,599.17 599.44,599.17 ; PIN_RES1_Pin_res47.14@600.1,592.293 599.44,592.293 ; PIN_RES1_Pin_res47.14@600.1,597.83 599.44,597.83 ; 599.44,585.562 P3.11@599.44,586.74 599.44,587.918 ; 599.44,592.293 v1(599.44,592.988) 599.44,593.633 ; 599.44,597.83 v1(599.44,598.526) 599.44,599.17